# KiCad board panel.kicad_pcb (continued)
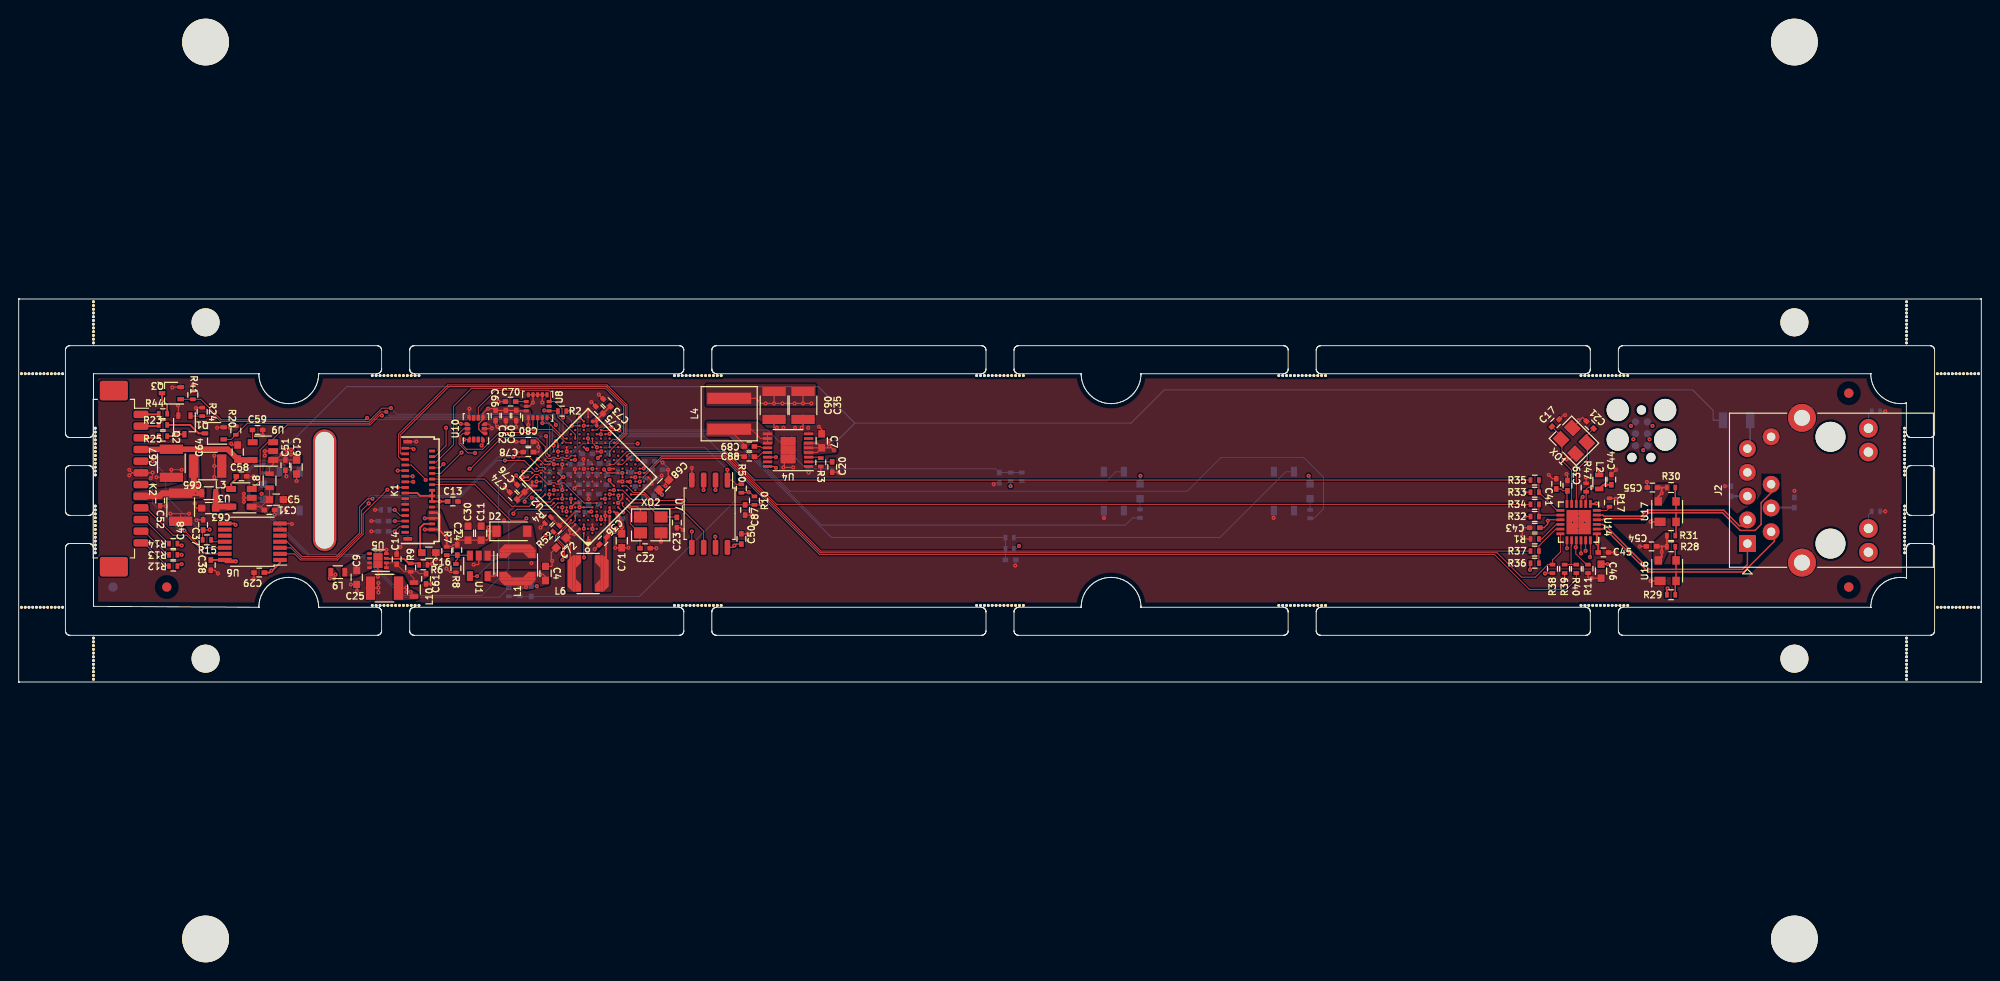
[diagram p0: board, top side]
## Library data of the parts
C1-C3 C6 C8 C10 C12 C14 C29 C32-C34 C38 C42-C45 C47 C49 C50 C52-C56 C62 C70 C78 C79 C82 C84 C87 C89 = -: Description: DVB_Capacitors_Ceramic:C_0402, CER, 100nF, 25V, X7R, 10%; Field4: CER; Field5: 100nF; Field6: 25V; Field7: X7R; Field8: 10%
C4 C5 C9 C19 C46 C68 C71 C72 = -: Description: DVB_Capacitors_Ceramic:C_0603, CER, 10µF, 25V, X5R, 10%; Field4: CER; Field5: 10µF; Field6: 25V; Field7: X5R; Field8: 10%
C7 C11 C16 C30 C63 C64 = -: Description: DVB_Capacitors_Ceramic:C_0603, CER, 4.7µF, 25V, X5R, 10%; Field4: CER; Field5: 4.7µF; Field6: 25V; Field7: X5R; Field8: 10%
C13 C15 C18 C31 C41 C51 C69 C81 C83 C88 = -: Description: DVB_Capacitors_Ceramic:C_0402, CER, 1µF, 25V, X5R, 20%; Field4: CER; Field5: 1µF; Field6: 25V; Field7: X5R; Field8: 20%
C17 C21-C23 = -: Description: DVB_Capacitors_Ceramic:C_0402, CER, 18pF, 50V, COG/NPO, 5%; Field4: CER; Field5: 18pF; Field6: 50V; Field7: COG/NPO; Field8: 5%
C20 C37 C60 = -: Description: DVB_Capacitors_Ceramic:C_0402, CER, 10nF, 25V, X7R, 10%; Field4: CER; Field5: 10nF; Field6: 25V; Field7: X7R; Field8: 10%
C24 = -: Description: DVB_Capacitors_Ceramic:C_0402, CER, 4.7pF, 50V, COG/NPO, 5%; Field4: 4.7pF; Field5: CER; Field6: 50V; Field7: COG/NPO; Field8: 5%
C25 C35 C48 C65 C67 C90 = -: Description: DVB_Capacitors_Ceramic:C_1210, CER, 47µF, 10V, X7R, 10%; Field4: CER; Field5: 47µF; Field6: 10V; Field7: X7R; Field8: 10%
C26-C28 = -: Description: DVB_Capacitors_Ceramic:C_0402, CER, 47pF, 25V, COG/NPO, 5%; Field4: 47pF; Field5: CER; Field6: 25V; Field7: COG/NPO; Field8: 5%
C36 = -: Description: DVB_Capacitors_Ceramic:C_0402, CER, 220pF, 50V, X7R, 10%; Field4: CER; Field5: 220pF; Field6: 50V; Field7: X7R; Field8: 10%
C39 = -: Description: DVB_Capacitors_Ceramic:C_0402, CER, 470pF, 50V, X7R, 10%; Field4: CER; Field5: 470pF; Field6: 50V; Field7: X7R; Field8: 10%
C58 C59 C61 = -: Description: DVB_Capacitors_Ceramic:C_0402, CER, 10nF, 25V, X7R, 10%; Field4: 10nF; Field5: CER; Field6: 25V; Field7: X7R; Field8: 10%
C66 C73 C74 C77 C80 = -: Description: DVB_Capacitors_Ceramic:C_0402, GMR, 4.7µF, 10V, X5R, 20%; Field4: GMR; Field5: 4.7µF; Field6: 10V; Field7: X5R; Field8: 20%
C75 C76 = -: Description: DVB_Capacitors_Ceramic:C_0402, CER, 2.2µF, 25V, X5R, 10%; Field4: CER; Field5: 2.2µF; Field6: 25V; Field7: X5R; Field8: 10%
D1 D3 D4 = -: Description: DVB_LED:LED_0603-red, TLMS1000-GS08, 2mA, LED, RED, TOP; Field4: TLMS1000-GS08; Field5: 2mA; Field6: LED; Field7: RED; Field8: TOP
D2 = -: Description: DVB_Diodes:D_SOD-123, MBR0530, 500mA, SCHOTTKY, 30Vr, 1-Chan; Field4: MBR0530; Field5: 500mA; Field6: SCHOTTKY; Field7: 1-Chan; Field8: 30Vr
F1 = -: Description: DVB_F:F_1206, 0685H9100-01, FUSE, 10A; Field4: 0685H9100-01; Field5: FUSE; Field6: 10A
J2 = -: Description: RJ45 PoE 10/100 Base-TX Jack with Magnetic Module
K1 = -: Description: OLED256x64-2P1_HOLE, 3-2328724-1‎, 31p, fem, RA; Field4: 3-2328724-1‎; Field5: 31p; Field6: fem; Field7: RA; Field8: CFAL25664C0-021M-[W|Y]
K2 = -: Description: Molex, Picoblade, single row, 01x12; Field4: 532611271
K3 = -: Description: TAG CONNECT - TC2030-IDC PLUG-OF-NAILS CABLE
L1 = -: Description: DVB_Inductors:L_4018-Coilcraft, LPS4018-682MRB, 1.3A, COIL, 6.8µH; Field4: LPS4018-682MRB; Field5: 1.3A; Field6: COIL; Field7: 6.8µH
L2 L7 = -: Description: DVB_Inductors:L_0603, MMZ1608B121C, 600mA, CHIP BEADS, 120ohm to 100Mhz; Field4: MMZ1608B121C; Field5: 600mA; Field6: CHIP BEADS; Field7: 120ohm to 100Mhz
L3 L5 L8-L10 = -: Description: DVB_Inductors:L_0603, FBMJ1608HM180NTR, 7.5A, BEADS, 18ohm to 100Mhz; Field4: FBMJ1608HM180NTR; Field5: 7.5A; Field6: BEADS; Field7: 18ohm
L4 = -: Description: DVB_Inductors:L_5030-Coilcraft, XAL5030-222MEC, 9.2A, COIL, 2.2µH; Field4: XAL5030-222MEC; Field5: 9.2A; Field6: COIL; Field7: 2.2µH
L6 = -: Description: DVB_Inductors:L_4018-Coilcraft, LPS4018-222MRB, 2.3A, COIL, 2.2µH; Field4: LPS4018-222MRB; Field5: 1.5A; Field6: COIL; Field7: 2.2µH
Q1-Q3 = -: Description: DVB_SOT:SOT_323-SC_70, BSS138PW, MOSFET, N-chan, 320mA, 60Vds; Field1: BSS138PW; Field4: MOSFET; Field5: 60Vds; Field6: 320mA
R1 R4 R10 R11 R22 R32 R33 R36 R39 R42 R43 R47 R50 R52 R53 = -: Description: DVB_Resistors:R_0402, 10k, 1%, 100mW; Field4: 10k; Field5: 1%; Field6: 100mW
R2 R20 R24 R41 = -: Description: DVB_Resistors:R_0402, 100k, 5%, 63mW; Field4: 100k; Field5: 5%; Field6: 63mW
R3 = -: Description: DVB_Resistors:R_0402, 18.2k, 1%, 100mW; Field4: 18.2k; Field5: 1%; Field6: 100mW
R5 = -: Description: DVB_Resistors:R_0402, 511k, 1%, 63mW; Field4: 511k; Field5: 1%; Field6: 63mW
R6 = -: Description: DVB_Resistors:R_0402, 36.5k, 1%, 63mW; Field4: 36.5k; Field5: 1%; Field6: 63mW
R7 = -: Description: DVB_Resistors:R_0402, 1.8M, 1%, 100mW; Field4: 1.8M; Field5: 1%; Field6: 100mW
R8 = -: Description: DVB_Resistors:R_0402, 205K, 1%, 100mW; Field4: 205K; Field5: 1%; Field6: 100mW
R9 = -: Description: DVB_Resistors:R_0402, 165k, 1%, 63mW; Field4: 84.5K; Field5: 1%; Field6: 63mW
R12-R14 = -: Description: DVB_Resistors:R_0402, 0, 5%, 63mW; Field4: 0; Field5: 5%; Field6: 63mW
R15 = -: Description: DVB_Resistors:R_0402, 33, 1%, 63mW; Field4: 0; Field5: 1%; Field6: 63mW
R16 R18 R21 R48 R49 = -: Description: DVB_Resistors:R_0402, 220, 1%, 100mW; Field4: 220; Field5: 1%; Field6: 100mW
R17 = -: Description: DVB_Resistors:R_0402, 12.1k, 1%, 63mW; Field4: 12.1k; Field5: 1%; Field6: 63mW
R19 R26 R27 = -: Description: DVB_Resistors:R_0402, 1k, 1%, 100mW; Field4: 1k; Field5: 1%; Field6: 100mW
R23 = -: Description: DVB_Resistors:R_0402, 130, 1%, 100mW; Field4: 90.9; Field5: 1%; Field6: 100mW
R25 = -: Description: DVB_Resistors:R_0402, 75, 1%, 100mW; Field4: 75; Field5: 1%; Field6: 100mW
R28-R31 R34 R35 R37 R40 = -: Description: DVB_Resistors:R_0402, 49.9, 1%, 100mW; Field4: 49.9; Field5: 1%; Field6: 100mW
R38 = -: Description: DVB_Resistors:R_0402, 7.15k, 1%, 100mW; Field4: 7.15k; Field5: 1%; Field6: 100mW
R44 = -: Description: DVB_Resistors:R_0402, 68, 1%, 100mW; Field4: 68; Field5: 1%; Field6: 100mW
SW1-SW3 = -: Description: DVB_Buttons:PTS810, PTS810, PUSH BUTTON, DPST-NO, TOP; Field1: PTS810; Field2: PUSH BUTTON; Field3: DPST-NO; Field7: TOP
U1 = -: Description: DVB_SOT:SOT_23-5, TPS61040DBVR, REGULATOR, DC/DC BOOST/EN, 1.8V to 6Vcc, ADJ 1.8V to 1Vout, 400mA; Field4: TPS61040DBVR; Field5: REGULATOR; Field6: DC/DC BOOST/EN; Field7: 1.8V to 6Vcc; Field8: ADJ 1.8V to 1Vout; Field9: 400mA
U2 = -: Description: DVB_BGA:UFBGA_176, STM32H745IIKx, MCU, RM Cortex-M7 + M4 MCU, 2048KB flash, 1024KB RAM, 480MHz + 240MHz, 1.7-3.6V, 140 GPIO, UFBGA-176; Field4: STM32H745IIKx; Field5: MCU; Field6: CORTEX M7 32-BIT; Field7: 1.6V to 3.6Vcc
U3 U9 = -: Description: DVB_SOT:SOT_23-5, LP2985A-2.8, REGULATOR, LDO / EN, 4V to 16Vcc, 2.8Vout, 150mA; Field4: LP2985A-50; Field5: REGULATOR; Field6: LDO / EN; Field7: 4V to 16Vcc; Field8: 2.8Vout; Field9: 150mA
U4 = -: Description: DVB_SSOP:MSOP_16-1EP_3x4_P0.5, LT8610ABIMSE-3.3, REGULATOR, DC/DC BUCK, 3.4V to 42Vcc, 3.3Vout, 3.5A; Field4: LT8610ABIMSE-3.3; Field5: REGULATOR; Field6: DC/DC BUCK; Field7: 3.4V to 42Vcc; Field8: 3.3Vout; Field9: 3.5A
U5 = -: Description: DVB_DFN:DFN-8-1EP_2x2_P0.5, ADP125ACPZ-R7, REGULATOR, LDO, 2.3V to 5.5Vcc, ADJ 800mV to 5Vout, 500mA; Field4: ADP125ACPZ-R7; Field5: REGULATOR; Field6: LDO; Field7: 2.3V to 5.5Vcc; Field8: ADJ 800mV to 5Vout; Field9: 500mA
U6 = -: Description: DVB_SSOP:TSSOP_14_4.4x5_P0.65, TXS0104EPWR, INTERFACE, LEVEL SHIFTER / 4-BIT, TTL; Field4: TXS0104EPWR; Field5: INTERFACE; Field6: LEVEL SHIFTER / 4-BIT; Field7: TTL
U7 = -: Description: 32-Mbit, Wide Range Voltage SPI Serial Flash Memory, SOP-8; Field4: MX25L12833F; Field5: FLASH MEMORY; Field6: 128M-BIT; Field7: 2.7 to 3.6V
U8 = -: Description: DVB_LGA:LGA-16_3x3mm_P0.5mm_LayoutBorder3x5y, ICM-2060, High performance 6-Axis MEMS motion tracking, SPI/I2C interface, LGA-16; Field4: ICM-20602; Field5: MEMS; Field6: 6-AXIS; Field7: 1.71-3.45Vcc
U10 = -: Description: DVB_LGA:LGA-16_3x3mm_P0.5mm_LayoutBorder3x5y, ICM-2060, High performance 6-Axis MEMS motion tracking, SPI/I2C interface, LGA-16; Field4: ICM-42688; Field5: MEMS; Field6: 6-AXIS; Field7: 1.71-3.45Vcc
U14 = -: Description: DVB_QFN:QFN-24-1EP_4x4mm_Pitch0.5mm, LAN8742A-CZ-TR, INTERFACE, TRANCEIVER, ETHERNET; Field4: LAN8742A-CZ-TR; Field5: INTERFACE; Field6: TRANCEIVER; Field7: ETHERNET
U16 U17 = -: Description: DVB_SOT:SOT_143, CD143A-SR3.3, PROTECTION, ESD / D-ARRAY , 2-Chan; Field4: CD143A-SR3.3; Field5: PROTECTION; Field6: ESD / D-ARRAY; Field7: 2-Chan
XO1 XO2 = -: Description: DVB_Clock:7M, 7M-25.000MEEQ-T, 25Mhz; Field4: 7M-25.000MEEQ-T; Field5: 25Mhz

## Footprints (pads in the part's own frame, mm; a bottom-side part is the same pattern mirrored in y, then rotated)
7M
  rect 1.4x1.2 smd: 1(-1.1,-0.85) 2(1.1,-0.85) 3(1.1,0.85) 4(-1.1,0.85)
C_0402
  rect 0.6x0.5 smd: 1(-0.55,0) 2(0.55,0)
C_0603
  rect 0.8x0.75 smd: 1(-0.75,0) 2(0.75,0)
C_1210
  rect 1x2.5 smd: 1(-1.5,0) 2(1.5,0)
D_SOD-123
  rect 0.9x1.2 smd: 1(-1.65,0) 2(1.65,0)
DFN-8-1EP_2x2_P0.5
  rect 0.5x0.3 smd: 1(-0.9,0.75) 2(-0.9,0.25) 3(-0.9,-0.25) 4(-0.9,-0.75) 5(0.9,-0.75) 6(0.9,-0.25) 7(0.9,0.25) 8(0.9,0.75)
  rect 0.99x0.8 smd: 9(0,0.4) 9(0,-0.4)
F_1206
  rect 0.9x1.7 smd: 1(-1.45,0) 2(1.45,0)
Fiducial
  round 1 smd: (0,0)
L_0603
  rect 0.5x0.9 smd: 1(-0.75,0) 2(0.75,0)
L_4018-Coilcraft
  trapezoid 0.56x3.34 smd: 1(-1.92,0) 2(1.92,0)
  rect 0.31x3.89 smd: 1(-1.485,0) 2(1.485,0)
  rect 0.58x0.775 smd: 1(-1.04,1.56) 1(-1.04,-1.555) 2(1.04,1.555) 2(1.04,-1.555)
  trapezoid 0.58x0.595 smd: 1(-1.04,1.17) 1(-1.04,-1.17) 2(1.04,1.17) 2(1.04,-1.17)
L_5030-Coilcraft
  rect 1.2x4.7 smd: 1(-1.655,0) 2(1.655,0)
LED_0603-red
  rect 0.8x0.8 smd: 1(-0.8,0) 2(0.8,0)
LGA-14_3x2.5mm_P0.5mm_LayoutBorder3x4y
  custom 0.625x0.4 smd: 1(-1.163,0.75) 4(-1.163,-0.75) 8(1.163,-0.75) 11(1.163,0.75)
  rrect 0.625x0.4 smd: 2(-1.163,0.25) 3(-1.163,-0.25) 9(1.163,-0.25) 10(1.163,0.25)
  custom 0.4x0.625 smd: 5(-0.5,-0.912) 7(0.5,-0.912) 12(0.5,0.912) 14(-0.5,0.912)
  rrect 0.4x0.625 smd: 6(0,-0.912) 13(0,0.912)
LGA-16_3x3mm_P0.5mm_LayoutBorder3x5y
  rrect 0.55x0.35 smd: 1(-1.225,1) 2(-1.225,0.5) 3(-1.225,0) 4(-1.225,-0.5) 5(-1.225,-1) 9(1.225,-1) 10(1.225,-0.5) 11(1.225,0) 12(1.225,0.5) 13(1.225,1)
  rrect 0.35x0.55 smd: 6(-0.5,-1.225) 7(0,-1.225) 8(0.5,-1.225) 14(0.5,1.225) 15(0,1.225) 16(-0.5,1.225)
Molex_PicoBlade_53261-1271_1x12-1MP_P1.25mm_Horizontal
  rrect 0.8x1.6 smd: 1(-6.875,2.4) 2(-5.625,2.4) 3(-4.375,2.4) 4(-3.125,2.4) 5(-1.875,2.4) 6(-0.625,2.4) 7(0.625,2.4) 8(1.875,2.4) 9(3.125,2.4) 10(4.375,2.4) 11(5.625,2.4) 12(6.875,2.4)
  rrect 2.1x3 smd: MP(-9.425,-0.5) MP(9.425,-0.5)
MSOP_16-1EP_3x4_P0.5
  rect 1x0.3 smd: 1(-2.2,1.75) 2(-2.2,1.25) 3(-2.2,0.75) 4(-2.2,0.25) 5(-2.2,-0.25) 6(-2.2,-0.75) 7(-2.2,-1.25) 8(-2.2,-1.75) 9(2.2,-1.75) 10(2.2,-1.25) 11(2.2,-0.75) 12(2.2,-0.25) 13(2.2,0.25) 14(2.2,0.75) 15(2.2,1.25) 16(2.2,1.75)
  rect 0.825x0.95 smd: 17(-0.4,0.95) 17(-0.4,0) 17(-0.4,-0.95) 17(0.4,0.95) 17(0.4,0) 17(0.4,-0.95)
NPTH
  round 0.3 hole 0.3 unplated: (0,0)
NPTH#2
  round 5 hole 5 unplated: (0,0)
OLED256x64-2P1_HOLE_TE_3-2328724-1‎
  oval 13x2.5 hole 12.5x2 unplated: (0,10)
  rect 0.3x0.8 smd: 1(-4.5,1.375) 3(-3.9,1.375) 5(-3.3,1.375) 7(-2.7,1.375) 9(-2.1,1.375) 11(-1.5,1.375) 13(-0.9,1.375) 15(-0.3,1.375) 17(0.3,1.375) 19(0.9,1.375) 21(1.5,1.375) 23(2.1,1.375) 25(2.7,1.375) 27(3.3,1.375) 29(3.9,1.375) 31(4.5,1.375)
  rect 0.3x0.65 smd: 2(-4.2,-1.5) 4(-3.6,-1.5) 6(-3,-1.5) 8(-2.4,-1.5) 10(-1.8,-1.5) 12(-1.2,-1.5) 14(-0.6,-1.5) 16(0,-1.5) 18(0.6,-1.5) 20(1.2,-1.5) 22(1.8,-1.5) 24(2.4,-1.5) 26(3,-1.5) 28(3.6,-1.5) 30(4.2,-1.5)
  rect 0.4x0.95 smd: 11(-5.2,1.1) 11(5.2,1.1)
PTS810
  rect 1.05x0.65 smd: 1(-2.075,1.075) 2(2.075,1.075) 3(-2.075,-1.075) 4(2.075,-1.075)
QFN-24-1EP_4x4mm_Pitch0.5mm
  rect 0.85x0.3 smd: 1(-1.95,1.25) 2(-1.95,0.75) 3(-1.95,0.25) 4(-1.95,-0.25) 5(-1.95,-0.75) 6(-1.95,-1.25) 13(1.95,-1.25) 14(1.95,-0.75) 15(1.95,-0.25) 16(1.95,0.25) 17(1.95,0.75) 18(1.95,1.25)
  rect 0.3x0.85 smd: 7(-1.25,-1.95) 8(-0.75,-1.95) 9(-0.25,-1.95) 10(0.25,-1.95) 11(0.75,-1.95) 12(1.25,-1.95) 19(1.25,1.95) 20(0.75,1.95) 21(0.25,1.95) 22(-0.25,1.95) 23(-0.75,1.95) 24(-1.25,1.95)
  rect 1.3x1.3 smd: 25(-0.65,0.65) 25(-0.65,-0.65) 25(0.65,0.65) 25(0.65,-0.65)
R_0402
  rect 0.4x0.6 smd: 1(-0.45,0) 2(0.45,0)
REF_1mm
  round 1 smd: ~(0,0)
REF_1mm_Top
  round 1 smd: ~(0,0)
RJ45_Abracon_ARJP11A-MA_Horizontal
  round 3.2 hole 3.2 unplated: (0,-8.89) (11.43,-8.89)
  rect 1.8x1.8 hole 0.9: 1(0,0)
  round 1.8 hole 0.9: 2(1.27,-2.54) 3(2.54,0) 4(3.81,-2.54) 5(5.08,0) 6(6.35,-2.54) 7(7.62,0) 9(10.16,0) 10(11.43,-2.54)
  round 2 hole 1: 11(-0.92,-12.95) 12(1.62,-12.95) 13(9.8,-12.95) 14(12.34,-12.95)
  round 3 hole 1.7: 15(-2.04,-5.84) 15(13.46,-5.84)
SOP-8_5.28x5.23mm_P1.27mm
  rrect 1.6x0.6 smd: 1(-3.6,1.905) 2(-3.6,0.635) 3(-3.6,-0.635) 4(-3.6,-1.905) 5(3.6,-1.905) 6(3.6,-0.635) 7(3.6,0.635) 8(3.6,1.905)
SOT_23-5
  rect 1.06x0.65 smd: 1(-1.1,0.95) 2(-1.1,0) 3(-1.1,-0.95) 4(1.1,-0.95) 5(1.1,0.95)
SOT_143
  rect 0.9x1.2 smd: 1(-1.1,0.77)
  rect 0.9x0.8 smd: 2(-1.1,-0.95) 3(1.1,-0.95) 4(1.1,0.95)
SOT_323-SC_70
  rect 0.7x0.45 smd: 1(-1,0.65) 2(-1,-0.65) 3(1,0)
Tag-Connect_TC2030-IDC-FP_2x03_P1.27mm_Vertical
  round 2.375 hole 2.375 unplated: (-2.54,-2.54) (-2.54,2.54) (0.635,-2.54) (0.635,2.54)
  round 0.991 hole 0.991 unplated: (-2.54,0) (2.54,-1.016) (2.54,1.016)
  round 0.787 smd: 1(-1.27,-0.635) 2(-1.27,0.635) 3(0,-0.635) 4(0,0.635) 5(1.27,-0.635) 6(1.27,0.635)
TSSOP_14_4.4x5_P0.65
  rect 1.45x0.45 smd: 1(-2.95,1.95) 2(-2.95,1.3) 3(-2.95,0.65) 4(-2.95,0) 5(-2.95,-0.65) 6(-2.95,-1.3) 7(-2.95,-1.95) 8(2.95,-1.95) 9(2.95,-1.3) 10(2.95,-0.65) 11(2.95,0) 12(2.95,0.65) 13(2.95,1.3) 14(2.95,1.95)
UFBGA_176
  round 0.25 smd: A1(-4.55,4.55) A2(-3.9,4.55) A3(-3.25,4.55) A4(-2.599,4.55) A5(-1.949,4.55) A6(-1.299,4.55) A7(-0.649,4.55) A8(0.002,4.55) A9(0.652,4.55) A10(1.302,4.55) A11(1.952,4.55) A12(2.603,4.55) A13(3.253,4.55) A14(3.903,4.55) A15(4.553,4.55) B1(-4.55,3.9) B2(-3.9,3.9) B3(-3.25,3.9) B4(-2.599,3.9) B5(-1.949,3.9) B6(-1.299,3.9) B7(-0.649,3.9) B8(0.002,3.9) B9(0.652,3.9) B10(1.302,3.9) B11(1.952,3.9) B12(2.603,3.9) B13(3.253,3.9) B14(3.903,3.9) B15(4.553,3.9) C1(-4.55,3.25) C2(-3.9,3.25) C3(-3.25,3.25) C4(-2.599,3.25) C5(-1.949,3.25) C6(-1.299,3.25) C7(-0.649,3.25) C8(0.002,3.25) C9(0.652,3.25) C10(1.302,3.25) C11(1.952,3.25) C12(2.603,3.25) C13(3.253,3.25) C14(3.903,3.25) C15(4.553,3.25) D1(-4.55,2.599) D2(-3.9,2.599) D3(-3.25,2.599) D4(-2.599,2.599) D5(-1.949,2.599) D6(-1.299,2.599) D7(-0.649,2.599) D8(0.002,2.599) D9(0.652,2.599) D10(1.302,2.599) D11(1.952,2.599) D12(2.603,2.599) D13(3.253,2.599) D14(3.903,2.599) D15(4.553,2.599) E1(-4.55,1.949) E2(-3.9,1.949) E3(-3.25,1.949) E4(-2.599,1.949) E12(2.603,1.949) E13(3.253,1.949) E14(3.903,1.949) E15(4.553,1.949) F1(-4.55,1.299) F2(-3.9,1.299) F3(-3.25,1.299) F4(-2.599,1.299) F6(-1.299,1.299) F7(-0.649,1.299) F8(0.002,1.299) F9(0.652,1.299) F10(1.302,1.299) F12(2.603,1.299) F13(3.253,1.299) F14(3.903,1.299) F15(4.553,1.299) G1(-4.55,0.649) G2(-3.9,0.649) G3(-3.25,0.649) G4(-2.599,0.649) G6(-1.299,0.649) G7(-0.649,0.649) G8(0.002,0.649) G9(0.652,0.649) G10(1.302,0.649) G12(2.603,0.649) G13(3.253,0.649) G14(3.903,0.649) G15(4.553,0.649) H1(-4.55,-0.002) H2(-3.9,-0.002) H3(-3.25,-0.002) H4(-2.599,-0.002) H6(-1.299,-0.002) H7(-0.649,-0.002) H8(0.002,-0.002) H9(0.652,-0.002) H10(1.302,-0.002) H12(2.603,-0.002) H13(3.253,-0.002) H14(3.903,-0.002) H15(4.553,-0.002) J1(-4.55,-0.652) J2(-3.9,-0.652) J3(-3.25,-0.652) J4(-2.599,-0.652) J6(-1.299,-0.652) J7(-0.649,-0.652) J8(0.002,-0.652) J9(0.652,-0.652) J10(1.302,-0.652) J12(2.603,-0.652) J13(3.253,-0.652) J14(3.903,-0.652) J15(4.553,-0.652) K1(-4.55,-1.302) K2(-3.9,-1.302) K3(-3.25,-1.302) K4(-2.599,-1.302) K6(-1.299,-1.302) K7(-0.649,-1.302) K8(0.002,-1.302) K9(0.652,-1.302) K10(1.302,-1.302) K12(2.603,-1.302) K13(3.253,-1.302) K14(3.903,-1.302) K15(4.553,-1.302) L1(-4.55,-1.952) L2(-3.9,-1.952) L3(-3.25,-1.952) L4(-2.599,-1.952) L12(2.603,-1.952) L13(3.253,-1.952) L14(3.903,-1.952) L15(4.553,-1.952) M1(-4.55,-2.603) M2(-3.9,-2.603) M3(-3.25,-2.603) M4(-2.599,-2.603) M5(-1.949,-2.603) M6(-1.299,-2.603) M7(-0.649,-2.603) M8(0.002,-2.603) M9(0.652,-2.603) M10(1.302,-2.603) M11(1.952,-2.603) M12(2.603,-2.603) M13(3.253,-2.603) M14(3.903,-2.603) M15(4.553,-2.603) N1(-4.55,-3.253) N2(-3.9,-3.253) N3(-3.25,-3.253) N4(-2.599,-3.253) N5(-1.949,-3.253) N6(-1.299,-3.253) N7(-0.649,-3.253) N8(0.002,-3.253) N9(0.652,-3.253) N10(1.302,-3.253) N11(1.952,-3.253) N12(2.603,-3.253) N13(3.253,-3.253) N14(3.903,-3.253) N15(4.553,-3.253) P1(-4.55,-3.903) P2(-3.9,-3.903) P3(-3.25,-3.903) P4(-2.599,-3.903) P5(-1.949,-3.903) P6(-1.299,-3.903) P7(-0.649,-3.903) P8(0.002,-3.903) P9(0.652,-3.903) P10(1.302,-3.903) P11(1.952,-3.903) P12(2.603,-3.903) P13(3.253,-3.903) P14(3.903,-3.903) P15(4.553,-3.903) R1(-4.55,-4.553) R2(-3.9,-4.553) R3(-3.25,-4.553) R4(-2.599,-4.553) R5(-1.949,-4.553) R6(-1.299,-4.553) R7(-0.649,-4.553) R8(0.002,-4.553) R9(0.652,-4.553) R10(1.302,-4.553) R11(1.952,-4.553) R12(2.603,-4.553) R13(3.253,-4.553) R14(3.903,-4.553) R15(4.553,-4.553)

## Nets
Board_0-/5V_EN: U2.G15 U3.3 U9.3
Board_0-/12V_EN: U1.4 U2.F15
Board_0-+3.3V: C1.1 C2.1 C3.1 C4.2 C6.1 C8.1 C10.1 C12.1 C13.1 C29.1 C32.1 C33.1 C34.1 C35.2 C43.1 C50.1 C60.2 C62.1 C66.1 C69.2 C77.1 C78.1 C79.1 C80.1 C90.2 D1.2 D3.2 D4.2 K1.12 K1.14 K1.15 K1.16 L1.1 L2.1 L4.2 L5.2 L7.1 R2.2 R10.2 R22.1 R32.1 R33.1 R36.1 R38.1 R39.1 R42.1 R43.1 R50.2 R52.1 R53.1 U1.5 U2.D5 U2.D11 U2.E2 U2.E4 U2.E12 U2.E15 U2.F13 U2.G4 U2.H12 U2.K4 U2.L12 U2.M5 U2.M9 U4.14 U4.16 U6.1 U6.8 U7.8 U8.1 U8.16 U10.5 U10.8 U14.9
Board_0-+5V: C64.1 C67.2 K2.4 U9.5
Board_0-+12V: C11.1 C24.1 C30.1 D2.1 K1.2 K1.6 K1.8 K1.31 R7.1
Board_0-+15: C7.2 C19.1 C51.2 F1.2 L8.2 U4.4 U4.5 U4.6 U9.1
Board_0-/CIS_ADC_1: C28.2 R14.1 U2.R3
Board_0-/CIS_ADC_2: C27.2 R13.1 U2.P3
Board_0-/CIS_ADC_3: C26.2 R12.1 U2.N2
Board_0-/CIS_CP: U2.D13 U6.4
Board_0-/CIS_CP_TTL: R15.2 U6.11
Board_0-/CIS_LED_B: Q3.1 R41.2 U2.E14
Board_0-/CIS_LED_G: Q2.1 R24.2 U2.N15
Board_0-/CIS_LED_R: Q1.1 R20.2 U2.H15
Board_0-/CIS_RS: U2.B15 U6.2
Board_0-/CIS_RS_TTL: K2.9 U6.13
Board_0-/CIS_SP: U2.D14 U6.3
Board_0-/CIS_SP_TTL: K2.7 U6.12
Board_0-/CIS_VLED_B: K2.1 R44.1
Board_0-/CIS_VLED_G: K2.3 R25.1
Board_0-/CIS_VLED_R: K2.2 R23.1
Board_0-/DAC_BCK: U2.D3
Board_0-/DAC_DEMP: U2.R4
Board_0-/DAC_DIN: U2.D9
Board_0-/DAC_FLT: U2.C1
Board_0-/DAC_LRCK: U2.B1
Board_0-/DAC_SCK: U2.C3
Board_0-/DAC_XSMT: U2.M1
Board_0-/DEBUG_RX: K3.1 U2.B5
Board_0-/DEBUG_TX: K3.2 U2.A5
Board_0-/ETH_RST: R11.2 U2.D2 U14.15
Board_0-/FMC_Ax: K1.19 U2.F4
Board_0-/FMC_D0: K1.22 U2.H14
Board_0-/FMC_D1: K1.23 U2.J12
Board_0-/FMC_D2: K1.24 U2.C10
Board_0-/FMC_D3: K1.25 U2.A10
Board_0-/FMC_D4: K1.26 U2.P9
Board_0-/FMC_D5: K1.27 U2.N8
Board_0-/FMC_D6: K1.28 U2.R11
Board_0-/FMC_D7: K1.29 U2.R9
Board_0-/FMC_NEx: K1.17 U2.B8
Board_0-/FMC_NOE: K1.21 U2.C9
Board_0-/FMC_NWE: K1.20 U2.B9
Board_0-/LED1: R18.2 U2.P15
Board_0-/LED2: R21.2 U2.R12
Board_0-/LED3: R16.2 U2.P12
Board_0-/MEMS_CS: U2.B3 U8.5 U10.12
Board_0-/MEMS_FSYNC: U2.A11 U8.8 U10.9
Board_0-/MEMS_INT: R2.1 U2.L14 U8.6 U10.4
Board_0-/MEMS_MISO: U2.K15 U8.4 U10.1
Board_0-/MEMS_MOSI: U2.K14 U8.3 U10.14
Board_0-/MEMS_SCLK: U2.A9 U8.2 U10.13
Board_0-/OLED_RESET: K1.18 U2.A2
Board_0-/QSPI_CLK: U2.K3 U7.6
Board_0-/QSPI_IO0: U2.J2 U7.5
Board_0-/QSPI_IO1: U2.J4 U7.2
Board_0-/QSPI_IO2: U2.J3 U7.3
Board_0-/QSPI_IO3: U2.H1 U7.7
Board_0-/QSPI_nCS: R50.1 U2.N12 U7.1
Board_0-/RMII_CRS_DV: R37.1 U2.N6
Board_0-/RMII_MDC: U2.L3 U14.13
Board_0-/RMII_MDIO: R38.2 U2.R2 U14.12
Board_0-/RMII_REF_CLK: R40.2 U2.P2
Board_0-/RMII_RXD0: R34.1 U2.R6
Board_0-/RMII_RXD1: R35.1 U2.M7
Board_0-/RMII_TX_EN: U2.A7 U14.16
Board_0-/RMII_TXD0: U2.B7 U14.17
Board_0-/RMII_TXD1: U2.C7 U14.18
Board_0-/RST: C87.2 K3.3 R10.1 U2.L1
Board_0-/RX_N: J2.6 R31.2 U14.22 U17.2
Board_0-/RX_P: J2.3 R30.2 U14.23 U17.3
Board_0-/SW_1: C53.1 R26.1 R42.2 U2.P14
Board_0-/SW_2: C56.1 R27.1 R43.2 U2.P13
Board_0-/SW_3: C42.1 R19.1 R22.2 U2.M12
Board_0-/SWD-CLK: K3.4 U2.A12
Board_0-/SWD-IO: K3.5 U2.B13
Board_0-/TX_N: J2.2 R29.2 U14.20 U16.2
Board_0-/TX_P: J2.1 R28.2 U14.21 U16.3
Board_0-AVDD: C38.1 C48.2 C52.1 C65.2 K2.8 L3.1 L9.2 U6.14
Board_0-GND: C1.2 C2.2 C3.2 C4.1 C5.2 C6.2 C7.1 C8.2 C9.1 C10.2 C11.2 C12.2 C13.2 C14.2 C15.2 C16.2 C17.2 C18.2 C19.2 C20.1 C21.2 C22.2 C23.1 C25.1 C26.1 C27.1 C28.1 C29.2 C30.2 C31.1 C32.2 C33.2 C34.2 C35.1 C36.2 C37.1 C38.2 C39.2 C41.1 C42.2 C43.2 C44.2 C45.2 C46.2 C47.2 C48.1 C49.2 C50.2 C51.1 C52.2 C53.2 C54.2 C55.2 C56.2 C58.2 C59.2 C60.1 C61.1 C62.2 C63.2 C64.2 C65.1 C66.2 C67.1 C68.1 C69.1 C70.1 C71.1 C72.1 C73.2 C74.2 C75.2 C76.2 C77.2 C78.2 C79.2 C80.2 C81.1 C82.2 C83.1 C84.2 C87.1 C88.1 C90.1 J2.7 J2.10 J2.15 K1.10 K1.11 K1.13 K2.6 K3.6 Q1.2 Q2.2 Q3.2 R1.2 R3.2 R4.2 R5.1 R6.2 R8.2 R11.1 R17.1 R20.1 R24.1 R41.1 R47.1 R48.2 R49.2 SW1.2 SW2.2 SW3.2 U1.2 U2.A1 U2.A15 U2.C2 U2.D6 U2.D10 U2.E1 U2.F2 U2.F6 U2.F7 U2.F8 U2.F9 U2.F10 U2.F12 U2.G6 U2.G7 U2.G8 U2.G9 U2.G10 U2.H6 U2.H7 U2.H8 U2.H9 U2.H10 U2.J6 U2.J7 U2.J8 U2.J9 U2.J10 U2.J14 U2.K2 U2.K6 U2.K7 U2.K8 U2.K9 U2.K10 U2.K12 U2.L4 U2.M6 U2.M10 U2.N3 U2.R1 U2.R15 U3.2 U4.1 U4.8 U4.17 U5.4 U5.9 U6.7 U7.4 U8.9 U8.10 U8.11 U8.12 U8.13 U8.15 U9.2 U10.6 U10.7 U10.11 U14.25 U16.1 U17.1 XO1.2 XO1.4 XO2.2 XO2.4
Board_0-Net-(C14-Pad1): C14.1 C61.2 L10.2 R9.1 U5.1 U5.2
Board_0-Net-(C89-Pad2): C89.2 L4.1 U4.9 U4.10 U4.11
Board_0-Net-(D1-K): D1.1 R16.1
Board_0-Net-(D2-A): D2.2 L1.2 U1.1
Board_0-Net-(D3-K): D3.1 R18.1
Board_0-Net-(D4-K): D4.1 R21.1
Board_0-Net-(J2-LLED+): J2.11 U14.3
Board_0-Net-(J2-LLED-): J2.12 R48.1
Board_0-Net-(J2-RLED+): J2.13 R47.2 U14.2
Board_0-Net-(J2-RLED-): J2.14 R49.1
Board_0-Net-(J2-V+): F1.1 J2.9
Board_0-Net-(K1-IREF): K1.7 R5.2
Board_0-Net-(K1-VCOMH): C16.1 K1.4
Board_0-Net-(K1-VLOGIC): C15.1 K1.5
Board_0-Net-(K1-VP): C18.1 K1.3
Board_0-Net-(K2-Pin_5): C37.2 K2.5 R15.1
Board_0-Net-(K2-Pin_10): K2.10 R14.2
Board_0-Net-(K2-Pin_11): K2.11 R13.2
Board_0-Net-(K2-Pin_12): K2.12 R12.2
Board_0-Net-(Q1-D): Q1.3 R23.2
Board_0-Net-(Q2-D): Q2.3 R25.2
Board_0-Net-(Q3-D): Q3.3 R44.2
Board_0-Net-(R19-Pad2): R19.2 SW3.3
Board_0-Net-(R26-Pad2): R26.2 SW1.3
Board_0-Net-(R27-Pad2): R27.2 SW2.3
Board_0-Net-(U1-FB): C24.2 R7.2 R8.1 U1.3
Board_0-Net-(U2-BOOT0): R4.1 R52.2 U2.C5
Board_0-Net-(U2-PDR_ON): R53.2 U2.D4
Board_0-Net-(U2-PH0): C22.1 U2.J1 XO2.1
Board_0-Net-(U2-PH1): C23.2 U2.K1 XO2.3
Board_0-Net-(U2-VDDA): C81.2 C82.1 L7.2 U2.M4
Board_0-Net-(U2-VDDSMPS): C71.2 L5.1 U2.G1
Board_0-Net-(U2-VFBSMPS): C72.2 C73.1 C74.1 C75.1 C76.1 L6.1 U2.A3 U2.A4 U2.A13 U2.A14 U2.G2 U2.R13 U2.R14
Board_0-Net-(U2-VLXSMPS): C36.1 L6.2 U2.F1
Board_0-Net-(U3-BPASS): C58.1 U3.4
Board_0-Net-(U3-Vin): C5.1 C31.2 L8.1 U3.1
Board_0-Net-(U3-Vout): C63.1 L3.2 U3.5
Board_0-Net-(U4-BST): C89.1 U4.12
Board_0-Net-(U4-INTVcc): C88.2 U4.13
Board_0-Net-(U4-RT): R3.1 U4.3
Board_0-Net-(U4-TR/SS): C20.2 U4.2
Board_0-Net-(U5-ADJ): R6.1 R9.2 U5.3
Board_0-Net-(U5-EN): C9.2 L9.1 U5.5 U5.7 U5.8
Board_0-Net-(U8-REGOUT): C70.2 U8.14
Board_0-Net-(U9-BPASS): C59.1 U9.4
Board_0-Net-(U14-CRS_DV/MODE2): R36.2 R37.2 U14.11
Board_0-Net-(U14-nINT/REFCLKO): R39.2 R40.1 U14.14
Board_0-Net-(U14-RBIAS): R17.2 U14.24
Board_0-Net-(U14-RXD0/MODE0): R32.2 R34.2 U14.8
Board_0-Net-(U14-RXD1/MODE1): R33.2 R35.2 U14.7
Board_0-Net-(U14-RXER/PHYAD0): R1.1 U14.10
Board_0-Net-(U14-VDD1A): C44.1 C45.1 C46.1 C47.1 C49.1 C54.1 C55.1 J2.4 J2.5 L2.2 R28.1 R29.1 R30.1 R31.1 U14.1 U14.19 U16.4 U17.4
Board_0-Net-(U14-VDDCR): C39.1 C41.2 U14.6
Board_0-Net-(U14-XTAL1/CLKIN): C17.1 U14.5 XO1.1
Board_0-Net-(U14-XTAL2): C21.1 U14.4 XO1.3
Board_0-unconnected-(K1-NC-Pad1): K1.1
Board_0-unconnected-(K1-NC-Pad9): K1.9
Board_0-unconnected-(K1-NC-Pad30): K1.30
Board_0-unconnected-(SW1-Pad1): SW1.1
Board_0-unconnected-(SW1-Pad4): SW1.4
Board_0-unconnected-(SW2-Pad1): SW2.1
Board_0-unconnected-(SW2-Pad4): SW2.4
Board_0-unconnected-(SW3-Pad1): SW3.1
Board_0-unconnected-(SW3-Pad4): SW3.4
Board_0-unconnected-(U2-PA0-PadP1): U2.P1
Board_0-unconnected-(U2-PA3-PadN5): U2.N5
Board_0-unconnected-(U2-PA4-PadP5): U2.P5
Board_0-unconnected-(U2-PA5-PadP6): U2.P6
Board_0-unconnected-(U2-PA6-PadR7): U2.R7
Board_0-unconnected-(U2-PA8-PadB14): U2.B14
Board_0-unconnected-(U2-PA10-PadC14): U2.C14
Board_0-unconnected-(U2-PA11-PadC15): U2.C15
Board_0-unconnected-(U2-PB0-PadR8): U2.R8
Board_0-unconnected-(U2-PB1-PadM8): U2.M8
Board_0-unconnected-(U2-PB2-PadP7): U2.P7
Board_0-unconnected-(U2-PB3-PadA6): U2.A6
Board_0-unconnected-(U2-PB4-PadB6): U2.B6
Board_0-unconnected-(U2-PB5-PadC6): U2.C6
Board_0-unconnected-(U2-PB11-PadP10): U2.P10
Board_0-unconnected-(U2-PB12-PadM15): U2.M15
Board_0-unconnected-(U2-PB13-PadL15): U2.L15
Board_0-unconnected-(U2-PC0-PadL2): U2.L2
Board_0-unconnected-(U2-PC2_C-PadN1): U2.N1
Board_0-unconnected-(U2-PC3-PadM2): U2.M2
Board_0-unconnected-(U2-PC7-PadD15): U2.D15
Board_0-unconnected-(U2-PC9-PadE13): U2.E13
Board_0-unconnected-(U2-PC10-PadC12): U2.C12
Board_0-unconnected-(U2-PC11-PadC11): U2.C11
Board_0-unconnected-(U2-PC12-PadB11): U2.B11
Board_0-unconnected-(U2-PC15-PadD1): U2.D1
Board_0-unconnected-(U2-PD2-PadB10): U2.B10
Board_0-unconnected-(U2-PD9-PadK13): U2.K13
Board_0-unconnected-(U2-PD10-PadL13): U2.L13
Board_0-unconnected-(U2-PD11-PadJ13): U2.J13
Board_0-unconnected-(U2-PD12-PadJ15): U2.J15
Board_0-unconnected-(U2-PE0-PadB4): U2.B4
Board_0-unconnected-(U2-PE1-PadC4): U2.C4
Board_0-unconnected-(U2-PE3-PadB2): U2.B2
Board_0-unconnected-(U2-PE6-PadE3): U2.E3
Board_0-unconnected-(U2-PF1-PadF3): U2.F3
Board_0-unconnected-(U2-PF2-PadG3): U2.G3
Board_0-unconnected-(U2-PF3-PadH4): U2.H4
Board_0-unconnected-(U2-PF4-PadH2): U2.H2
Board_0-unconnected-(U2-PF5-PadH3): U2.H3
Board_0-unconnected-(U2-PF11-PadN7): U2.N7
Board_0-unconnected-(U2-PF12-PadP11): U2.P11
Board_0-unconnected-(U2-PF13-PadN11): U2.N11
Board_0-unconnected-(U2-PF14-PadR10): U2.R10
Board_0-unconnected-(U2-PF15-PadN10): U2.N10
Board_0-unconnected-(U2-PG0-PadP8): U2.P8
Board_0-unconnected-(U2-PG1-PadN9): U2.N9
Board_0-unconnected-(U2-PG3-PadH13): U2.H13
Board_0-unconnected-(U2-PG4-PadG14): U2.G14
Board_0-unconnected-(U2-PG6-PadF14): U2.F14
Board_0-unconnected-(U2-PG7-PadG13): U2.G13
Board_0-unconnected-(U2-PG8-PadG12): U2.G12
Board_0-unconnected-(U2-PG9-PadA8): U2.A8
Board_0-unconnected-(U2-PG10-PadC8): U2.C8
Board_0-unconnected-(U2-PG12-PadD8): U2.D8
Board_0-unconnected-(U2-PG15-PadD7): U2.D7
Board_0-unconnected-(U2-PH2-PadN4): U2.N4
Board_0-unconnected-(U2-PH4-PadP4): U2.P4
Board_0-unconnected-(U2-PH5-PadR5): U2.R5
Board_0-unconnected-(U2-PH7-PadM11): U2.M11
Board_0-unconnected-(U2-PH8-PadN13): U2.N13
Board_0-unconnected-(U2-PH9-PadM14): U2.M14
Board_0-unconnected-(U2-PH10-PadN14): U2.N14
Board_0-unconnected-(U2-PH11-PadM13): U2.M13
Board_0-unconnected-(U2-PH13-PadC13): U2.C13
Board_0-unconnected-(U2-PH14-PadB12): U2.B12
Board_0-unconnected-(U2-PH15-PadD12): U2.D12
Board_0-unconnected-(U4-NC-Pad7): U4.7
Board_0-unconnected-(U4-PG-Pad15): U4.15
Board_0-unconnected-(U5-NC-Pad6): U5.6
Board_0-unconnected-(U6-A4-Pad5): U6.5
Board_0-unconnected-(U6-B4-Pad10): U6.10
Board_0-unconnected-(U6-NC-Pad6): U6.6
Board_0-unconnected-(U6-NC-Pad9): U6.9
Board_0-unconnected-(U8-RESV-Pad7): U8.7
Board_0-unconnected-(U10-RESV-Pad2): U10.2
Board_0-unconnected-(U10-RESV-Pad3): U10.3
Board_0-unconnected-(U10-RESV-Pad10): U10.10
Board_0-VERF+: C25.2 C68.2 C83.2 C84.1 L10.1 U2.M3

Pads without a net: K2 MP; REF1 ~; REF2 ~; REF3 ~; REF11 ~; REF12 ~; REF13 ~

## Via types
v1: diameter 0.44, hole 0.15, Top to Bottom, 334 vias

## Routing (per net, layer and track width the routed paths; a pad name or vN(x,y) marks a point on that pad's centre or on a via; arc(x,y) is an arc through that point)
Board_0-/5V_EN: length 40.8
  Top w0.091: U3.3 25.84,21.57 25.84,24.83 26.67,25.67 U9.3 27.24,26.02 28.74,27.52 37.6,27.52 38.61,28.53 v1(38.87,28.53) ; v1(57.24,25.32) 57.24,24.7 U2.G15
  Bottom w0.091: v1(38.87,28.53) 39.1,28.3 56.22,28.3 57.11,27.4 57.11,25.44 v1(57.24,25.32)
Board_0-/12V_EN: length 21.4
  Top w0.091: U1.4 48.3,11.32 48.89,11.32 48.9,11.33 v1(49.06,11.33) ; v1(56.44,26.32) 56.54,26.22 56.54,24.48 U2.F15
  Bottom w0.091: v1(49.06,11.33) 51.36,13.63 51.36,21.78 55.89,26.32 v1(56.44,26.32)
Board_0-+3.3V: length 65.6
  Top w0.091: v1(78.14,20.32) 78.22,20.32 78.67,19.87 R10.2
  Top w0.125: C90.2 v1(80.84,29.82) ; v1(80.84,29.82) v1(79.94,29.82) 79.44,29.82 78.88,30.37 L4.2 ; v1(80.84,29.82) v1(81.74,29.82) v1(83.04,29.82) v1(83.94,29.82) ; 76.59,14.57 v1(76.59,14.61) ; 76.59,14.57 76.44,14.42 U7.8 ; 76.59,14.57 76.79,14.77 C50.1 ; U2.G4 62.73,19.62 v1(62.74,19.62) ; v1(78.14,20.32) 78.09,20.27 R50.2 ; U10.5 49.68,26.62 49.24,27.06 49.24,27.66 49.69,28.11 U10.8 49.69,28.77 50.17,29.25 v1(50.24,29.25) 50.85,29.25 C66.1 C62.1 C60.2 53.29,29.02 U8.16 ; v1(50.96,11.49) 50.8,11.33 U1.5 ; U4.16 80.88,23.07 v1(81.04,22.92) ; 53.31,11.05 L1.1 54.1,11.05 L1.1 L1.1 ; 53.31,11.05 53.31,10.68 L1.1 ; 53.31,11.05 52.65,11.05 L1.1 L1.1 ; U2.L12 60.7,24.92 v1(60.84,24.92) ; 57.88,21.63 U2.D11 57.88,21.63 ; 57.88,21.63 58.22,21.96 ; 41.36,20.23 K1.15 ; 59.11,23.77 59.12,23.78 v1(59.53,23.78) ; 59.11,23.77 59.1,23.76 ; 59.11,23.77 59.1,23.76 ; v1(84.84,29.82) v1(83.94,29.82) ; v1(83.94,29.82) C35.2 ; U2.E15 56.48,23.62 56.97,23.62 v1(57.28,23.31) 57.28,23.3 U2.F13 ; 44.24,19.63 K1.12 ; v1(161.74,12.02) 161.74,12.67 R36.1 ; 59.1,23.76 59.1,23.76 ; 59.1,23.76 59.1,23.76 ; R39.1 v1(165.44,10.84) ; v1(161.19,17.72) R32.1 ; R2.2 58.62,29.02 v1(59.05,29.02) ; R38.1 163.39,11.67 v1(163.34,11.62) ; 57.03,15.91 56.82,15.71 v1(56.38,15.71) ; 57.03,15.91 R52.1 57.03,15.91 ; v1(62.32,17.42) U2.E2 ; v1(60.02,18.7) U2.D5 U2.E4 ; v1(61.99,23.98) 62.21,24.2 62.23,24.22 U2.M9 ; v1(55.84,11.52) 56.14,11.52 56.38,11.28 C4.2 ; v1(54.54,27.52) U8.1 ; C43.1 163.24,16.52 163.64,16.92 v1(163.64,17.27) 163.74,17.37 U14.9 ; v1(81.04,24.07) U4.14 ; v1(161.19,20.32) R33.1 ; C80.1 55.51,25.72 55.62,25.61 v1(55.62,25.17) 55.69,25.1 55.69,24.67 55.64,24.62 C78.1 ; 58.22,21.96 v1(58.3,21.96) ; 58.22,21.96 58.14,21.96 U2.E12 ; U2.K4 63.7,21 63.24,21.46 v1(63.24,21.62) ; v1(62.64,22.75) 63.01,22.38 U2.M5
  Top w0.2: K1.16 44.24,19.93 ; 44.24,19.93 K1.14 44.24,19.33 v1(45.06,19.33) C13.1 ; 44.24,19.93 42.96,19.93 42.66,20.23 41.36,20.23 ; v1(23.21,16.83) 23.07,16.97 U6.8 ; U6.1 27.96,12.75 27.12,11.92 v1(27.04,11.92) 26.84,11.72 C29.1 ; v1(169.14,22.72) L2.1
  Bottom w0.091: R43.1 106.75,14.27 v1(107.05,14.57) ; v1(26,20.15) 26.2,19.95 D3.2 ; v1(120.04,22.07) 120,22.03 D4.2 ; D1.2 138.2,21.91 v1(138.04,22.07) ; R22.1 54.2,10.07 v1(54.29,10.15) ; R42.1 v1(106.15,20.97)
  Bottom w0.125: v1(63.75,16.05) 63.91,16.21 v1(63.91,16.45)
  vias: v1(61.39,22.82) v1(66.24,23.82)
